# Allegro board FMDEMOD-Long.brd (continued)
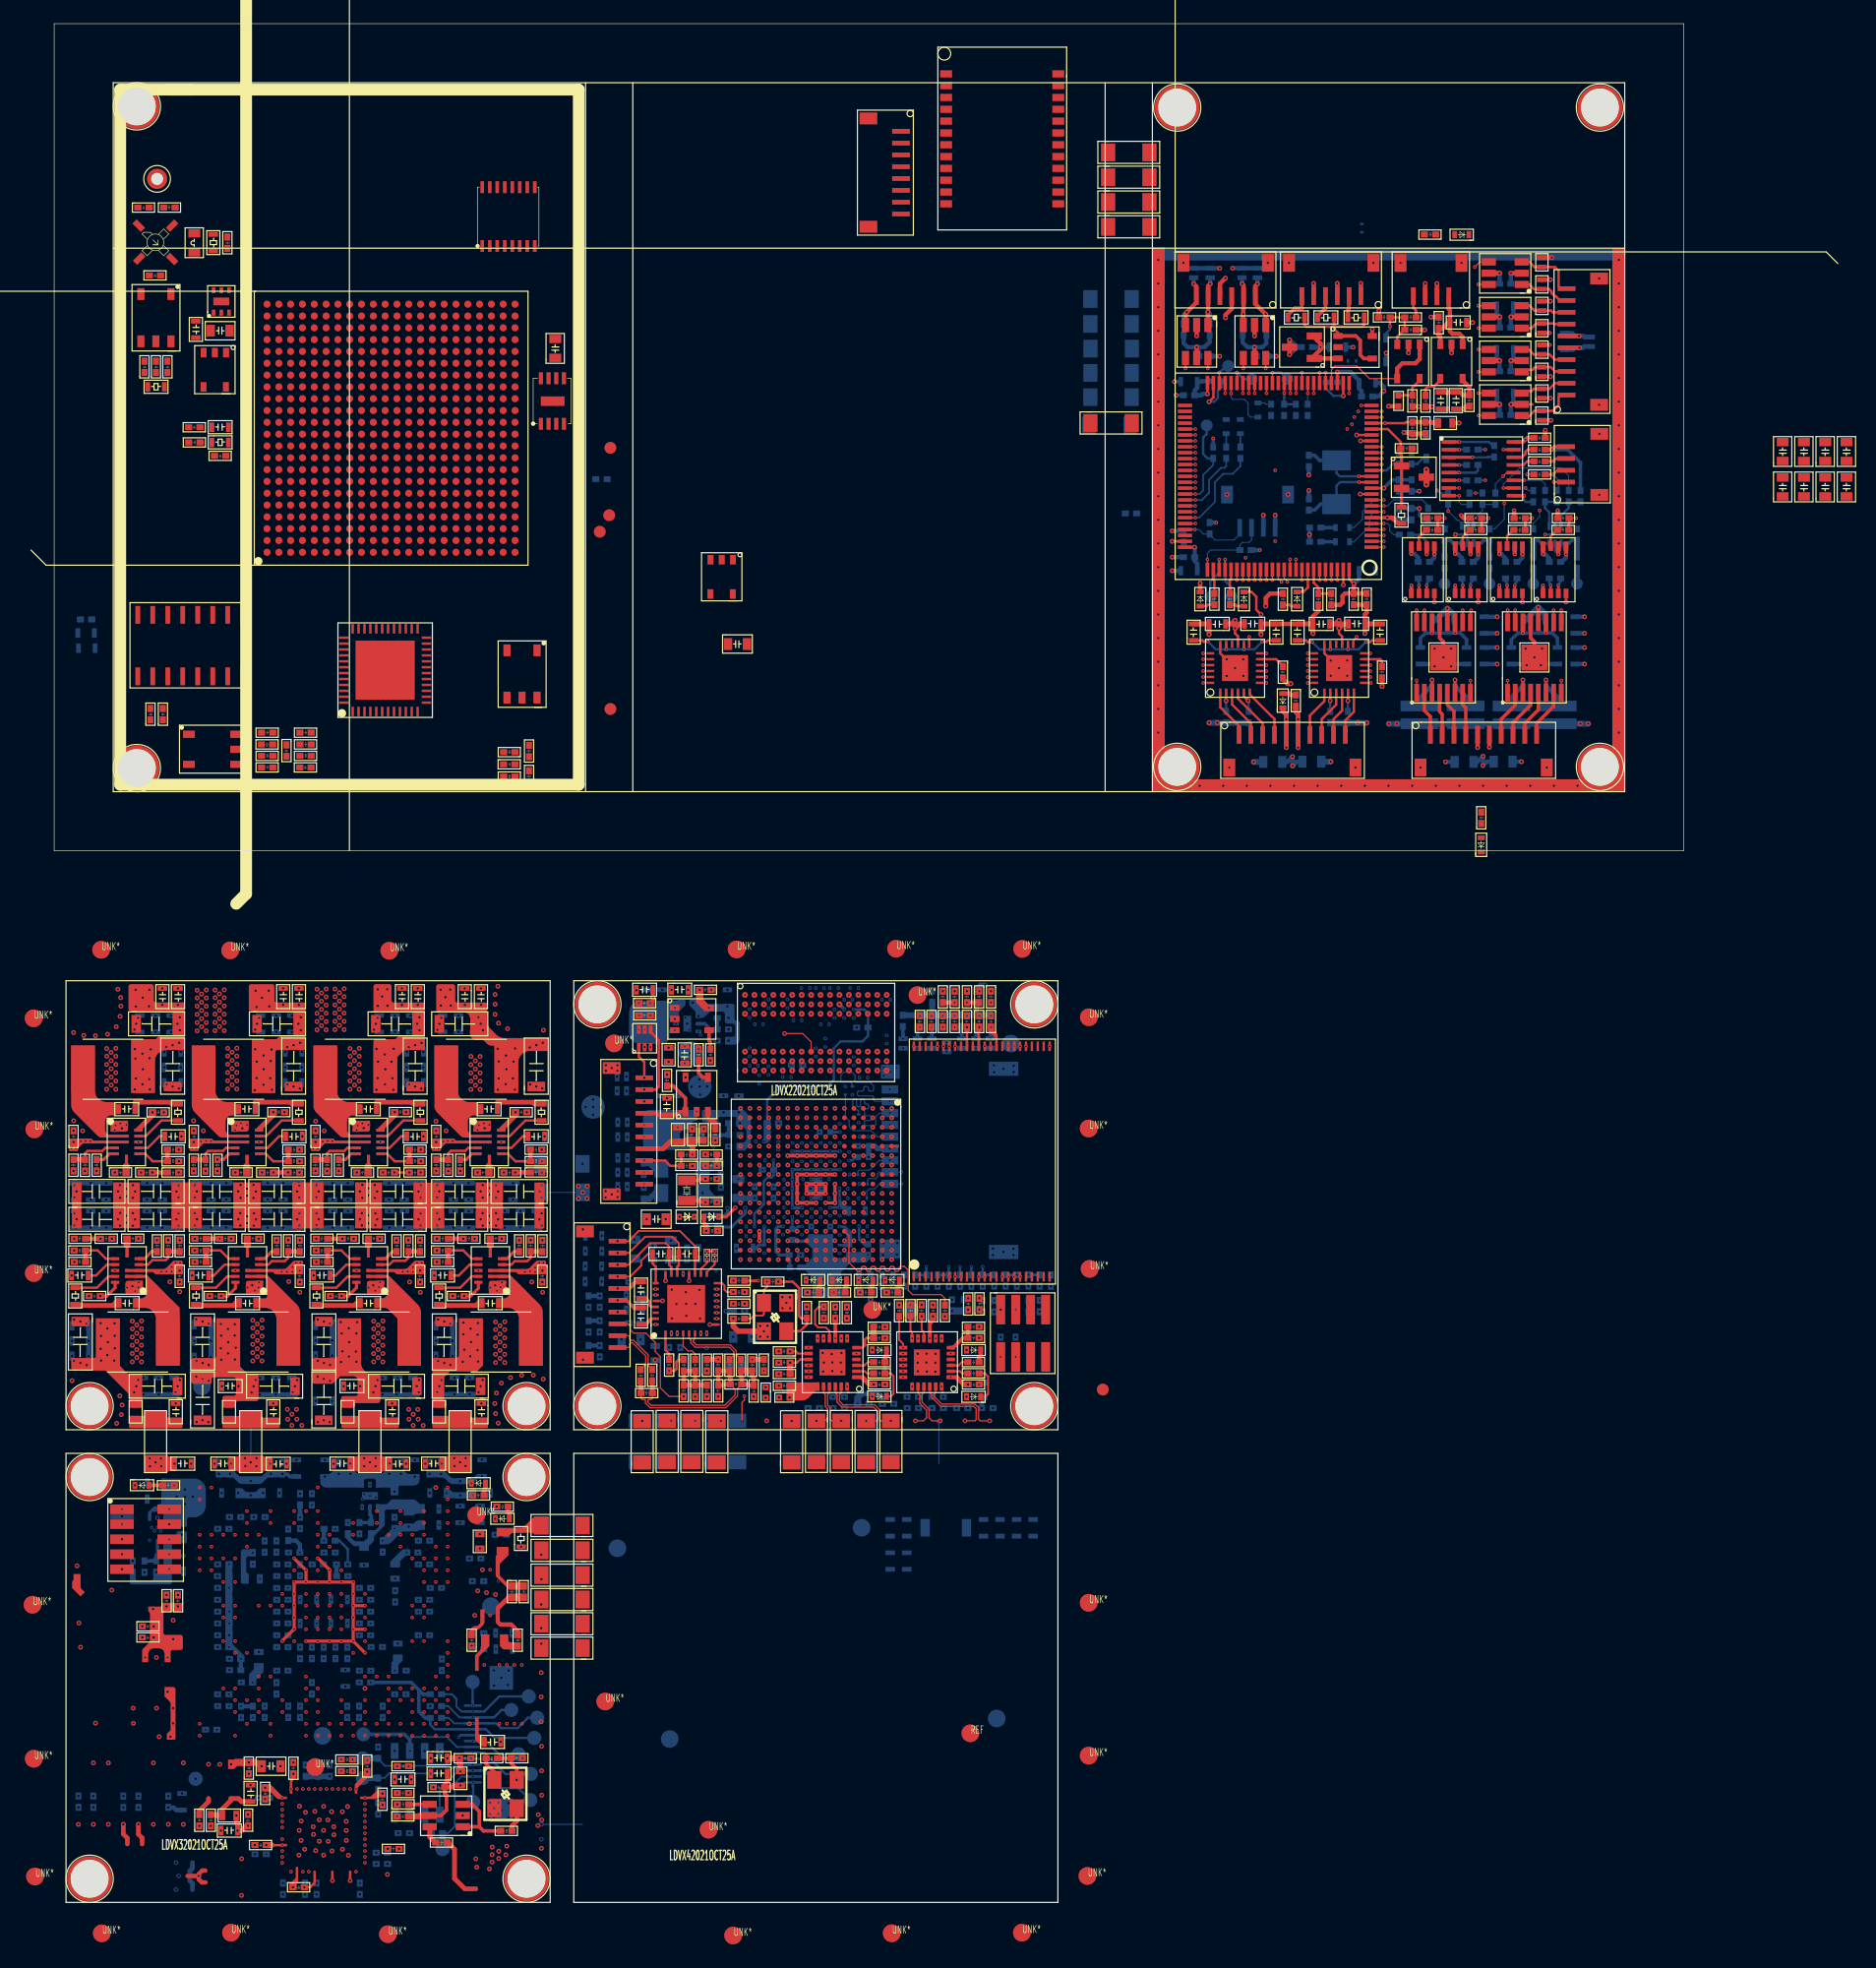
[diagram p0: board, top side]
## Routing (per net, layer and track width the routed paths; a pad name or vN(x,y) marks a point on that pad's centre or on a via; arc(x,y) is an arc through that point) (continued)
  SIGNAL-L4 w0.2: v2(124.34,21.05) 124.34,19.54 123.4,18.6 123.4,15.86 124.38,14.88 v2(124.38,14.46)
  BOTTOM w0.36: v2(124.38,14.46) 124.38,13.98 123.42,13.02 R172.2
N28117: length 11.7
  TOP w0.2: U27.6 v2(126.33,14.46) ; U43.4 v2(128.03,21.05)
  SIGNAL-L4 w0.2: v2(126.33,14.46) 127.2,15.33 127.2,17.5 128.03,18.33 v2(128.03,21.05)
  BOTTOM w0.36: R173.2 127.32,12.98 126.33,13.97 v2(126.33,14.46)
N28299: length 1.3
  TOP w0.2: U43.2 v1(126.73,22.46)
  BOTTOM w0.2: v1(126.73,22.46) 126.73,22.58 126.61,22.7 R358.1
N28303: length 1.3
  TOP w0.2: U43.3 v1(127.38,22.46)
  BOTTOM w0.2: R358.2 127.57,22.77 127.4,22.6 127.4,22.48 v1(127.38,22.46)
N28307: length 1.3
  TOP w0.2: U44.2 v1(123.04,22.46)
  BOTTOM w0.2: v1(123.04,22.46) 123.04,22.66 122.91,22.79 R359.1
N28311: length 1.3
  TOP w0.2: U44.3 v1(123.69,22.46)
  BOTTOM w0.2: R359.2 123.87,22.77 123.69,22.59 v1(123.69,22.46)
N28637: length 1.2
  BOTTOM w0.3: R186.2 D21.2
N28731: length 1.6
  TOP w0.2: U43.7 126.73,26.62 127.26,27.15 R340.1
N28759: length 1.6
  TOP w0.2: R341.1 123.56,27.15 123.04,26.63 U44.7
N30927: length 1.6
  TOP w0.2: U48.2 v2(99.25,12.7)
  BOTTOM w0.2: R370.1 v2(99.25,12.7)
N30933: length 1.8
  TOP w0.2: v2(101.1,12.7) 100.75,13.05 U48.5
  BOTTOM w0.2: R373.1 101.15,12.65 v2(101.1,12.7)
N33222: length 8.5
  TOP w0.2: U48.14 v1(100.75,17.05) ; U48.17 v1(99.25,17.05) ; C594.1 102.78,17.8 102.68,17.7 v1(102.3,17.7) ; v1(97.7,17.7) 97.32,17.7 97.22,17.8 C595.1
  BOTTOM w0.2: v1(102.3,17.7) 101.65,17.05 v1(100.75,17.05) v1(99.25,17.05) 98.35,17.05 v1(97.7,17.7)
N38076: length 2.3
  TOP w0.2: R363.1 104.05,15.64 103.48,16.21 U48.11
N39890: length 1.2
  TOP w0.2: R374.1 104.61,20.81 104.72,20.7 D43.2
N41862: length 8.5
  TOP w0.2: v1(106.53,17.67) 106.15,17.67 106.02,17.8 C185.1 ; C190.1 111.58,17.8 111.46,17.67 v1(111.08,17.67) ; U28.17 v1(108.06,17.04) ; U28.14 v1(109.56,17.05)
  BOTTOM w0.2: v1(111.08,17.67) 110.45,17.05 v1(109.56,17.05) 109.18,17.05 109.18,17.04 v1(108.06,17.04) 107.16,17.04 v1(106.53,17.67)
N42130: length 1.6
  TOP w0.2: U28.2 v2(108.06,12.7)
  BOTTOM w0.2: v2(108.06,12.7) 108.05,12.69 R178.1
N42224: length 1.6
  TOP w0.2: U28.5 v2(109.56,12.7)
  BOTTOM w0.2: v2(109.56,12.7) 109.55,12.69 R184.1
N42300: length 2.1
  TOP w0.2: U28.11 112.29,16.21 112.45,16.05 R176.1
N42416: length 1.1
  BOTTOM w0.1: R183.1 102.62,37.79 102.51,37.9 D19.2
N50111: length 5.7
  TOP w0.2: U22.3 113.74,43.5 114.32,44.08 C154.2 R156.2 R154.1 113.12,45.12 v1(113.12,44.38)
  BOTTOM w0.2: D18.1 112.8,43.8 113.12,44.12 v1(113.12,44.38)
N52095: length 2.9
  TOP w0.2: U22.5 115.63,39.81 115.02,39.2 C163.1 114.35,38.55 114.32,38.52 L20.1
N57048: length 5.8
  TOP w0.36: U40.2 106.71,43.45 107.25,42.91 v1(107.25,42.62) 107.25,42.43 106.71,41.89 106.71,41.66 107.67,41.66 107.67,41.67 U37.3
  BOTTOM w0.36: C472.2 v1(107.25,42.62) R291.2
N57288: length 12.6
  TOP w0.2: R298.1 108.39,44.35 ; 108.39,44.35 106.05,44.35 105.89,44.51 R297.1 ; 108.39,44.35 110.79,44.35 110.95,44.51 R299.1 ; 108.39,44.35 108.39,44.17 108.72,43.84 U37.1
  TOP w0.3: U37.4 110.9,41.66 110.6,41.96 110.6,43.2 110.23,43.57 U37.1
N4007879: length 1.4
  PWR-L6 w0.2: v4(60.93,-29.41) 60.93,-30.21 v3(61.32,-30.6)
N4008796: length 3.2
  PWR-L6 w0.26: v4(60.13,-31.79) v3(60.52,-31.4)
  BOTTOM w0.26: v4(60.13,-31.79) 60.13,-32.2 C399.1 59.68,-33.37 59.4,-33.64 C397.1
N4087915: length 6.2
  TOP w0.3: v22(55.16,-27.77) 54.68,-27.77 54.56,-27.9 Y1.2
  SIGNAL-L7 w0.1: v18(58.92,-29.8) 58.49,-29.37 57.95,-29.37 56.62,-28.04 55.43,-28.04 v22(55.16,-27.77)
N4087935: length 5.3
  TOP w0.3: 53.58,-29.6 54.55,-29.6 54.68,-29.73 v22(55.16,-29.73)
  SIGNAL-L7 w0.1: v18(58.12,-29.8) 57.04,-29.8 56.43,-29.18 55.33,-29.18 55.16,-29.36 v22(55.16,-29.73)
N4129499: length 1.1
  TOP w0.36: D3.2 64.87,-36.81 64.75,-36.92 R82.2
N4198004: length 2.8
  PWR-L6 w0.2: v3(59.72,-30.6) 59.33,-30.21 v6(59.33,-29.39)
  BOTTOM w0.5: C322.2 58.9,-29.39 58.9,-29.39 v6(59.33,-29.39)
N4201231: length 1.3
  SIGNAL-L4 w0.1: v16(53.02,-42.03) 53.02,-41.52 52.77,-41.26 v17(52.77,-40.84)
N4201841: length 1.3
  SIGNAL-L4 w0.1: v16(52.07,-42.03) 52.07,-41.46 52.27,-41.27 v17(52.27,-40.84)
N4206925: length 4.9
  TOP w0.2: v10(59.62,-36.39) 59.29,-36.39 59.29,-36.38 R79.1
  SIGNAL-L3 w0.1: v10(60.52,-33) 60.52,-34.79 59.62,-35.69 v10(59.62,-36.39)
N4209990: length 0.9
  SIGNAL-L3 w0.1: v14(75.29,-46.22) 75.29,-45.84 75.15,-45.7 v10(75.15,-45.34)
N4216158: length 1.1
  TOP w0.36: D8.1 78.46,-42.74 78.33,-42.87 R99.2
N4216162: length 3.1
  TOP w0.16: R108.2 78.82,-44.22 79.09,-44.49 79.09,-45.97 78.85,-46.2 D10.1
N4216453: length 2.7
  TOP w0.3: U17.6 76.13,-42.05 76.95,-41.23 C101.1 C100.1
N4219956: length 3.4
  SIGNAL-L3 w0.2: v10(75.93,-42.55) 75.93,-41.02 75.43,-40.52 v11(75.43,-39.4)
N4226540: length 1.1
  TOP w0.36: R98.2 70.35,-42.87 70.48,-42.74 D7.1
N4226544: length 3
  TOP w0.16: D9.1 70.87,-46.17 71.08,-45.97 71.08,-44.46 70.84,-44.22 R107.2
N4226630: length 3
  TOP w0.2: U16.6 68.46,-42.05 68.66,-41.85 68.66,-41.38 68.8,-41.23 C102.1
  TOP w0.5: C102.1 69.39,-40.81 69.39,-40.8 C99.1
N4226754: length 1
  SIGNAL-L3 w0.1: v14(66.91,-46.22) 67.18,-45.95 67.18,-45.69 67.15,-45.67 v10(67.15,-45.34)
N4226762: length 3.3
  SIGNAL-L3 w0.127: v11(67.12,-39.57) 67.93,-40.38 v10(67.93,-42.55)
N4905822: length 2.2
  TOP w0.22: U21.4 117.37,39.81 116.85,39.29 116.34,39.29 116.13,39.08 C157.2
N4949904: length 1.1
  TOP w0.36: 67.1,-36.33 67.1,-36.81 66.98,-36.92 R83.2
N4950154: length 1.1
  TOP w0.36: R84.2 69.21,-36.92 69.33,-36.81 D5.2
N4950158: length 1.1
  TOP w0.36: R85.2 71.45,-36.92 71.57,-36.81 D6.2
N4962302: length 2
  TOP w0.3: R10.2 54.58,-18.82 54.94,-19.18 U4.4
N4962318: length 1.9
  TOP w0.3: U4.3 55.35,-22.66 55.57,-22.87 55.87,-22.87 55.99,-23 R16.1
N4966591: length 2.1
  TOP w0.36: R106.1 59.67,-43.05 59.66,-43.06 v17(59.11,-43.06)
  SIGNAL-L4 w0.1: v17(59.11,-43.06) 58.62,-43.06 v20(58.16,-43.52)
N4966598: length 2.1
  TOP w0.36: R103.2 55.7,-43.06 55.71,-43.05 v17(56.23,-43.05)
  SIGNAL-L4 w0.1: v20(57.2,-43.52) 56.72,-43.05 v17(56.23,-43.05)
N4966923: length 10.4
  TOP w0.2: v17(52.07,-44.01) 52.55,-44.01 52.69,-43.86 52.69,-43.25 52.89,-43.06 R102.2
  SIGNAL-L4 w0.1: v17(52.07,-44.01) 53.94,-44.01 54.4,-43.54 56.09,-43.54 56.55,-44.01 v17(60.1,-44.01)
N4969505: length 2.4
  SIGNAL-L4 w0.1: v16(49.85,-37.6) 50.62,-37.6 50.62,-37.59 v17(50.95,-37.59)
  BOTTOM w0.36: v16(49.85,-37.6) C411.1
N4971120: length 5.4
  TOP w0.36: C121.1 54.85,-45.23 54.84,-45.24 R112.2 ; R112.2 53.85,-45.24 53.84,-45.23 R111.1 R102.1 C107.1 R112.2
N6357472: length 3.6
  SIGNAL-L4 w0.3: v16(46.19,-39.77) 46.82,-39.14 46.82,-38.38 47.16,-38.04 v12(47.71,-38.04)
  BOTTOM w0.36: R264.1 v16(46.19,-39.77)
N6357497: length 2.7
  SIGNAL-L4 w0.3: v16(46.19,-37.67) 46.83,-37.04 v12(47.71,-37.04)
  BOTTOM w0.36: C410.1 v16(46.19,-37.67)
N7057664: length 0.7
  SIGNAL-L7 w0.1: v19(80.15,-42.12) v18(80.15,-42.83)
N7057668: length 0.7
  SIGNAL-L7 w0.1: v18(81.42,-42.83) 81.42,-42.51 81.41,-42.5 v19(81.41,-42.12)
N7060478: length 4.3
  SIGNAL-L3 w0.1: v11(81.42,-38.83) 81.42,-38.13 80.58,-37.29 v14(80.58,-36.85) v14(82.5,-36.85)
N7060523: length 6.1
  SIGNAL-L3 w0.1: v14(83.45,-39.01) 82.78,-39.68 80.99,-39.68 v11(80.15,-38.83) 80.15,-37.89 79.61,-37.35 v14(79.61,-36.85)
N7084975: length 21.5
  PWR-L6 w0.22: v4(71.75,-28.2) 73.84,-28.2 79.27,-22.77 79.27,-16.87 79.36,-16.78 79.36,-16.32 79.27,-16.23 v6(79.27,-15.9)
  BOTTOM w0.1: 68.82,-29.4 68.82,-28.83 69.04,-28.61 69.48,-28.61 69.89,-28.2 J5.1 v4(71.75,-28.2)
  BOTTOM w0.3: v6(79.27,-15.9) 79.27,-15.53 79.28,-15.51 R205.2
N7085009: length 19.2
  PWR-L6 w0.22: v4(71.75,-27.2) 72.82,-27.2 78.06,-21.96 v6(78.06,-15.9)
  BOTTOM w0.1: v4(71.75,-27.2) J5.2 69.86,-27.2 69.73,-27.33 69.73,-27.57 69.56,-27.75 69,-27.75 68.88,-27.87 R230.2
  BOTTOM w0.3: R206.2 v6(78.06,-15.9)
N7085027: length 17.8
  PWR-L6 w0.22: v4(70.77,-26.2) 71.79,-26.2 76.86,-21.13 v4(76.86,-15.91)
  BOTTOM w0.1: R229.2 68.07,-27.13 68.17,-27.03 69.04,-27.03 69.86,-26.2 v4(70.77,-26.2)
  BOTTOM w0.3: v4(76.86,-15.91) 76.86,-15.53 76.83,-15.5 R207.2
N7085069: length 16.5
  PWR-L6 w0.22: v4(75.58,-17.01) 75.58,-20.53 71.92,-24.2 v4(70.77,-24.2)
  BOTTOM w0.1: R218.2 67.01,-22.54 67.33,-22.86 67.33,-23.35 67.67,-23.69 69.19,-23.69 69.7,-24.2 v4(70.77,-24.2)
N7085119: length 20.1
  PWR-L6 w0.22: v4(70.77,-22.2) 72.33,-22.2 74.33,-20.2 v4(74.33,-15.91)
  BOTTOM w0.1: v4(70.77,-22.2) 69.87,-22.2 69.57,-22.5 69.57,-23.16 69.47,-23.26 68.71,-23.26 68.61,-23.16 68.61,-22.92 68.71,-22.82 69.14,-22.82 69.24,-22.72 69.24,-22.52 69.14,-22.42 68.71,-22.42 68.61,-22.32 68.61,-21.94 68.71,-21.84 68.87,-21.84 68.97,-21.74 68.97,-21.54 68.87,-21.44 68.71,-21.44 68.61,-21.34 68.61,-21.11 68.51,-21.01 68.39,-21.01 68.29,-21.11 68.29,-21.61 68.23,-21.67 68.05,-21.67 67.95,-21.57 67.95,-21.07 67.87,-20.99 67.73,-20.99 67.63,-21.09 67.63,-21.85 67.72,-21.93 68.02,-21.93 68.12,-22.04 68.12,-22.31
  BOTTOM w0.3: R208.2 74.35,-15.51 74.33,-15.53 v4(74.33,-15.91)
N7085137: length 19
  PWR-L6 w0.22: v4(73.11,-15.91) 73.11,-16.07 73.36,-16.32 73.36,-16.78 73.11,-17.03 73.11,-19.47 71.39,-21.2 v4(70.77,-21.2)
  BOTTOM w0.1: v4(70.77,-21.2) 69.52,-21.2 69.38,-21.07 69.38,-20.84 69.28,-20.74 68.11,-20.74 68.01,-20.64 68.01,-20.44 68.11,-20.34 68.46,-20.34 68.56,-20.24 68.56,-20.05 68.66,-19.95 68.86,-19.95 68.96,-20.05 68.96,-20.24 69.06,-20.34 69.28,-20.34 69.38,-20.24 69.38,-19.89 69.09,-19.6 67.93,-19.6 67.83,-19.5 67.83,-19.02 67.52,-18.72 66.9,-18.72 66.62,-19 66.62,-19.49 66.72,-19.59 67.43,-19.59 67.6,-19.75 R217.2
  BOTTOM w0.3: R209.2 73.11,-15.53 73.11,-15.53 v4(73.11,-15.91)
N7099288: length 4.3
  TOP w0.2: U3.1 49.51,-17.42 49.97,-17.89 v11(49.97,-19.22)
  SIGNAL-L3 w0.3: v11(49.97,-19.22) 48.95,-19.22 48.84,-19.11 v14(48.47,-19.11)
N7119824: length 4
  TOP w0.26: U47.1 v1(118.98,34.6)
  BOTTOM w0.2: C596.1 121.81,34.29 121.5,34.6 v1(118.98,34.6)
N7119928: length 1.5
  TOP w0.26: U47.4 v1(118.98,32.65)
  BOTTOM w0.2: C601.1 v1(118.98,32.65)
N7119940: length 1.5
  TOP w0.26: U47.2 v1(118.98,33.95)
  BOTTOM w0.2: C607.1 v1(118.98,33.95)
N7119964: length 3.9
  TOP w0.26: U47.3 v1(120.1,33.3)
  BOTTOM w0.2: C596.2 121.47,33.33 121.44,33.3 v1(120.1,33.3)
N7119992: length 1.5
  TOP w0.2: U47.6 v1(118.98,31.35)
  BOTTOM w0.2: C611.1 v1(118.98,31.35)
N7120000: length 3
  TOP w0.26: U47.5 v1(118.98,32)
  BOTTOM w0.2: v1(118.98,32) 120.4,32 120.57,32.17 C601.2
N7120004: length 2.9
  BOTTOM w0.3: U41.3 125.96,26 125.68,26.28 R324.2
  BOTTOM w0.5: R322.2 R324.2
N7120715: length 1.3
  BOTTOM w0.5: TP53.1 R322.1
N7120840: length 1.3
  BOTTOM w0.36: TP54.1 R329.1
N7121019: length 1.3
  BOTTOM w0.36: TP51.1 R336.1
N7121024: length 1.3
  BOTTOM w0.5: TP52.1 R330.1
N7132397: length 2.1
  TOP w0.2: R371.1 124.78,33.95 124.6,33.77 124.6,33.59 124.31,33.3 U47.14
N7132401: length 8
  TOP w0.1: U47.7 v1(118.98,30.7) ; R368.1 v1(124.73,31.85)
  SIGNAL-L4 w0.1: v1(118.98,30.7) 119.3,30.7 120.89,32.28 124.3,32.28 v1(124.73,31.85)
N7132405: length 1.8
  TOP w0.2: U47.13 124.43,32.65 124.73,32.95 R372.1
N7132409: length 2.4
  TOP w0.1: U47.8 v1(118.98,30.05)
  BOTTOM w0.1: v1(118.98,30.05) 118.98,29.5 119.17,29.31 R369.1
N7132815: length 3.2
  BOTTOM w0.1: U42.3 120.2,28.04 120.95,28.79 R350.2 R349.2
N7132819: length 10.5
  SIGNAL-L3 w0.1: v1(118.05,28.74) 120.34,28.74 121.7,30.1 123.4,30.1 124,30.7 v1(124.6,30.7)
  BOTTOM w0.1: R334.2 124.82,30.48 v1(124.6,30.7) ; U42.1 119.2,27.71 118.92,27.99 118.81,27.99 v1(118.05,28.74) R335.2
N7301618: length 2.9
  BOTTOM w0.3: R331.2 121.07,26.28 120.82,26.03 U42.4
  BOTTOM w0.36: R329.2 R331.2
N7301681: length 2.9
  BOTTOM w0.3: U41.1 128.24,26 128.52,26.28 R332.2
  BOTTOM w0.5: R330.2 R332.2
N7301693: length 3
  BOTTOM w0.3: R338.2 118.23,26.28 118.48,26.03 U42.6
  BOTTOM w0.36: R336.2 R338.2
N7303091: length 3.5
  TOP w0.2: U47.11 v1(124.48,31.35)
  BOTTOM w0.1: v1(124.48,31.35) 125.95,31.35 126.25,31.05 R346.1 126.25,30.29
N7303129: length 9
  TOP w0.2: v1(122.72,30.7) U47.10
  BOTTOM w0.1: 128.25,30.29 R347.1 128.25,31.75 127.6,32.4 124.1,32.4 122.72,31.03 v1(122.72,30.7)
N7303150: length 2.7
  TOP w0.1: U47.12 123,32 v1(122.7,31.7)
  BOTTOM w0.1: v1(122.7,31.7) 122.05,31.05 R349.1
N7303177: length 2.1
  TOP w0.26: U47.9 v1(124.48,30.05)
  BOTTOM w0.2: v1(124.48,30.05) 124.48,29.67 124.63,29.52 R334.1
N7304159: length 3.2
  BOTTOM w0.2: U41.4 126.6,28.65 126.25,29 R346.2 R345.2
N7304177: length 3.3
  BOTTOM w0.2: R348.2 R347.2 128.25,29 127.6,28.35 U41.6
N7454523: length 2.8
  SIGNAL-L4 w0.1: v12(30.01,-79.73) 30.01,-80.83 30.76,-81.58 v16(31.38,-81.58)
N7455499: length 1.1
  TOP w0.38: D11.2 36.53,-54 36.41,-54.12 R136.2
N7455557: length 1.1
  TOP w0.38: 38.55,-56.53 38.55,-56.05 38.43,-55.93 R137.2
N7467286: length 1.7
  SIGNAL-L3 w0.2: v10(16.32,-71.89) 16.05,-72.15 16.05,-72.17 v7(15.82,-72.4)
  BOTTOM w0.36: C589.2 v7(15.82,-72.4)
N7498655: length 1.7
  TOP w0.4: 13.07,-80.21 13.07,-80.47 12.29,-81.24 C211.2
N7538451: length 0.7
  SIGNAL-L3 w0.2: v7(21.82,-54.4) 22.32,-53.91 v10(22.32,-53.89)
N7580344: length 1.4
  SIGNAL-L3 w0.36: v11(2.05,-82.4) 2.05,-81.34 2.06,-81.33 v14(2.06,-80.96)
N7580738: length 1.4
  SIGNAL-L3 w0.36: v14(3.31,-80.96) 3.31,-81.33 3.32,-81.34 v11(3.32,-82.4)
N7580852: length 2.7
  SIGNAL-L3 w0.36: v11(9.67,-82.4) 9.67,-81.34 9.66,-81.34 v14(9.66,-80.97)
  BOTTOM w0.36: v14(9.66,-80.97) 10.1,-80.97 10.32,-81.19 R364.1
N7581076: length 3.2
  TOP w0.38: v11(7.13,-82.4) 7.13,-83.23 7.45,-83.55 7.45,-84.06
  SIGNAL-L3 w0.36: v14(7.13,-80.97) 7.13,-81.34 7.13,-81.35 v11(7.13,-82.4)
N7581083: length 3.2
  TOP w0.38: v11(5.86,-82.4) 5.86,-83.22 6.2,-83.56 6.2,-84.06
  SIGNAL-L3 w0.36: v14(5.86,-80.97) 5.86,-81.34 5.86,-81.34 v11(5.86,-82.4)
N7586253: length 2.1
  TOP w0.3: Y4.1 37.27,-77.97 36.58,-77.28 R166.1
N7586496: length 2.1
  TOP w0.38: 39.17,-81.03 39.17,-82.12 38.77,-82.52 R185.2
N7586806: length 6.3
  TOP w0.3: U32.1 36,-82.6 ; 36,-82.6 36,-81.3 35.4,-80.7 U32.3 ; 36,-82.6 36.35,-82.95 R185.1
N7587007: length 1.8
  TOP w0.3: U32.4 30.5,-80.7 R177.1
N7587454: length 1.6
  TOP w0.4: R188.1 32.26,-83.93 31.8,-83.46 U32.6
N7587591: length 5.5
  TOP w0.4: 35.7,-87.85 34.77,-87.85 33.9,-86.98 33.9,-84.51 33.32,-83.93 R188.2
N7735309: length 1.9
  TOP w0.1: U19.48 v1(98.67,40.47)
  BOTTOM w0.2: TP4.1 99.23,41.03 v1(98.67,40.47)
N7869909: length 8
  TOP w0.2: U3.4 50.51,-15.33 51.2,-16.03 51.2,-19.96 50.95,-20.22 v11(49.97,-20.22)
  SIGNAL-L3 w0.3: v11(49.97,-20.22) 48.95,-20.22 48.84,-20.32 v14(48.47,-20.32)
N7921484: length 1.2
  TOP w0.3: D12.2 R133.2
N7936310: length 1.1
  BOTTOM w0.15: D15.2 R144.2
N7936621: length 1.1
  BOTTOM w0.15: D14.2 R140.2
N7936920: length 1.2
  TOP w0.2: R150.2 97.7,20.82 97.58,20.7 D17.2
N7937230: length 1.2
  TOP w0.2: D16.2 100.15,20.7 100.03,20.82 R145.2
N8000304: length 2.4
  TOP w0.1: U19.45 v1(100.17,40.47)
  BOTTOM w0.2: v1(100.17,40.47) 100.71,39.93 TP2.1
N8000357: length 2.4
  TOP w0.1: U19.39 v1(103.17,40.47)
  BOTTOM w0.2: TP1.1 103.88,40.47 v1(103.17,40.47)
N8015227: length 1.7
  BOTTOM w0.5: R227.1 50.89,-26.91 50.41,-26.43 R228.1
N8015335: length 1.7
  BOTTOM w0.5: R234.1 50.42,-29.46 50.91,-28.97 R233.1
N8184194: length 4.2
  TOP w0.2: U5.4 4.34,-25.15 4.08,-25.41 2.82,-25.41 2.61,-25.62 R28.2
  TOP w0.36: R27.1 2.12,-26.14 2.13,-26.15 R28.2
N8184251: length 5.3
  TOP w0.36: v11(8.31,-27.22) R41.1
  SIGNAL-L3 w0.2: v10(7.13,-24.65) 8.09,-24.65 8.78,-25.34 8.78,-26.33 8.31,-26.8 v11(8.31,-27.22)
N8184327: length 9
  SIGNAL-L4 w0.2: v12(8.33,-22.14) 8.33,-25.93 7.54,-26.72 4.5,-26.72 4.12,-27.1 v12(3.6,-27.1)
N8184405: length 1.7
  TOP w0.25: U5.5 4.67,-25.65 4.18,-26.14 R29.1
N8185005: length 3.9
  TOP w0.2: U5.10 7.76,-24.15 9.08,-22.83 10.49,-22.83
N8185163: length 2.7
  TOP w0.2: C38.2 8.91,-24.17 7.93,-25.15 U5.8
N8185326: length 3.7
  TOP w0.2: U5.7 7.71,-25.65 8.34,-26.28 R23.2
  TOP w0.36: R23.2 9.6,-25.8 9.59,-25.79 R17.1
N8189530: length 3.9
  TOP w0.2: 20.73,-22.83 19.26,-22.83 17.95,-24.15 U6.10
N8189912: length 4.2
  TOP w0.2: R31.2 12.82,-25.62 13.04,-25.4 14.29,-25.4 14.55,-25.15 U6.4
  TOP w0.36: R30.1 12.33,-26.14 12.34,-26.15 R31.2
N8189916: length 27.1
  TOP w0.36: v11(18.56,-27.22) v13(19.82,-27.22)
  SIGNAL-L3 w0.2: v11(18.56,-27.22) 18.56,-26.8 18.99,-26.36 18.99,-25.1 18.54,-24.65 v10(17.34,-24.65)
  SIGNAL-L8 w0.2: v8(41.25,-26.5) 20.54,-26.5 v13(19.82,-27.22)
N8189928: length 2.7
  TOP w0.2: C39.2 19.05,-24.17 18.07,-25.15 U6.8
N8189952: length 3.7
  TOP w0.2: R24.2 18.55,-26.28 17.92,-25.65 U6.7
  TOP w0.36: R24.2 19.83,-25.8 19.82,-25.79 R18.1
N8190068: length 9.1
  SIGNAL-L4 w0.2: v12(13.83,-27.1) 14.37,-27.1 14.74,-26.73 17.89,-26.73 18.55,-26.07 v12(18.55,-22.12)
N8193321: length 3.9
  TOP w0.2: 31.02,-22.83 29.57,-22.83 28.25,-24.15 U7.10
N8193703: length 4.2
  TOP w0.2: R34.2 23.11,-25.62 23.32,-25.41 24.57,-25.41 24.83,-25.15 U7.4
  TOP w0.36: R33.1 22.62,-26.14 22.63,-26.15 R34.2
N8193719: length 2.6
  TOP w0.2: U7.8 28.41,-25.15 29.39,-24.17 C40.2
N8193743: length 3.7
  TOP w0.2: R25.2 28.83,-26.28 28.2,-25.65 U7.7
  TOP w0.36: R25.2 30.09,-25.78 30.08,-25.77 R19.1
N8193859: length 9.1
  SIGNAL-L4 w0.2: v12(24.11,-27.1) 24.63,-27.1 25.03,-26.69 28.16,-26.69 28.84,-26.01 v12(28.84,-22.12)
N8193943: length 1.7
  TOP w0.25: R35.1 24.66,-26.14 25.15,-25.65 U7.5
N8195603: length 4
  TOP w0.2: 41.28,-22.83 39.9,-22.83 38.58,-24.15 U8.10
N8195985: length 4.2
  TOP w0.2: R37.2 33.37,-25.62 33.59,-25.4 34.81,-25.4 35.06,-25.15 U8.4
  TOP w0.36: R36.1 32.88,-26.14 32.89,-26.15 R37.2
N8196001: length 2.7
  TOP w0.2: C41.2 39.7,-24.17 38.72,-25.15 U8.8
N8196025: length 3.7
  TOP w0.2: U8.7 38.44,-25.65 39.07,-26.28 R26.2
  TOP w0.36: R20.1 40.33,-25.79 40.34,-25.8 R26.2
N8196141: length 9
  SIGNAL-L4 w0.2: v12(34.38,-27.1) 35,-27.1 35.37,-26.72 38.3,-26.72 39.06,-25.95 v12(39.06,-22.13)
N8196225: length 1.7
  TOP w0.25: R38.1 34.89,-26.14 35.38,-25.65 U8.5
N8196940: length 4.2
  TOP w0.2: 9.65,-33.92 9.65,-34.44 9.45,-34.65 8.32,-34.65 7.95,-35.02 U11.4
  TOP w0.36: R59.1 10.14,-33.92 10.13,-33.92 9.65,-33.92
N8196944: length 5.6
  TOP w0.36: R49.1 v11(3.93,-32.83)
  SIGNAL-L3 w0.2: v11(3.93,-32.83) 3.93,-33.26 3.46,-33.72 3.46,-35.08 3.9,-35.52 v10(5.16,-35.52)
N8196950: length 11
  TOP w0.25: U11.11 5.16,-36.98 4.46,-37.68 v12(3.91,-37.68)
  SIGNAL-L4 w0.2: v12(3.91,-37.68) 3.91,-33.91 4.45,-33.37 7.8,-33.37 8.21,-32.97 v12(8.7,-32.97)
N8196956: length 1.8
  TOP w0.25: R57.1 8.25,-33.92 7.66,-34.52 U11.5
N8197004: length 3.8
  TOP w0.2: R86.1 3.62,-36.98 4.58,-36.02 U11.10
N8197022: length 2.7
  TOP w0.2: C75.2 3.54,-35.94 4.47,-35.02 U11.8
N8197032: length 3.8
  TOP w0.2: R69.2 3.68,-33.83 4.38,-34.52 U11.7
  TOP w0.36: R69.2 2.65,-34.3 2.66,-34.31 R75.1
N8197074: length 3.7
  TOP w0.2: R87.1 13.7,-36.98 14.65,-36.02 U12.10
N8197146: length 4.2
  TOP w0.2: U12.4 18.14,-35.02 18.44,-34.72 19.54,-34.72 19.82,-34.44 19.82,-33.92
  TOP w0.36: 19.82,-33.92 20.29,-33.92 20.3,-33.92 R62.1
N8197148: length 5.3
  TOP w0.36: R51.1 v10(14.02,-32.83)
  SIGNAL-L3 w0.2: v10(14.02,-32.83) 14.02,-33.43 13.7,-33.75 13.7,-35.02 14.2,-35.52 v10(15.35,-35.52)
N8197154: length 2.6
  TOP w0.2: U12.8 14.43,-35.02 13.51,-35.94 C76.2
N8197166: length 3.8
  TOP w0.2: U12.7 14.77,-34.52 14.08,-33.83 R70.2
  TOP w0.36: R76.1 12.87,-34.32 12.86,-34.31 R70.2
N8197176: length 10.9
  TOP w0.25: v12(14.13,-37.68) 14.68,-37.68 15.35,-37.02 U12.11
  SIGNAL-L4 w0.2: v12(18.84,-32.97) 18.32,-32.97 17.91,-33.37 14.68,-33.37 14.13,-33.92 v12(14.13,-37.68)
N8197194: length 1.7
  TOP w0.25: U12.5 17.82,-34.52 18.42,-33.92 R60.1
N8197218: length 3.8
  TOP w0.2: U13.10 25.02,-36.02 25.02,-36.02 24.86,-36.02 23.9,-36.98 R88.1
N8197290: length 4.2
  TOP w0.2: 29.99,-33.92 29.99,-34.44 29.74,-34.69 28.72,-34.69 28.39,-35.02 U13.4
  TOP w0.36: 29.99,-33.92 30.47,-33.92 30.48,-33.92 R65.1
N8197292: length 5.4
  TOP w0.36: R53.1 v11(24.4,-32.83)
  SIGNAL-L3 w0.2: v11(24.4,-32.83) 24.4,-33.26 23.94,-33.72 23.94,-34.91 24.55,-35.52 v10(25.59,-35.52)
N8197298: length 2.6
  TOP w0.2: C77.2 23.82,-35.94 24.75,-35.02 25.01,-35.02 U13.8
N8197310: length 3.7
  TOP w0.2: R71.2 24.32,-33.83 25.02,-34.52 U13.7
  TOP w0.36: R77.1 23.16,-34.31 23.15,-34.3 R71.2
N8197320: length 10.8
  TOP w0.25: v12(24.34,-37.68) 24.89,-37.68 25.59,-36.98 U13.11
  SIGNAL-L4 w0.2: v12(29,-32.97) 28.49,-32.97 28.09,-33.37 24.93,-33.37 24.34,-33.96 v12(24.34,-37.68)
N8197338: length 1.6
  TOP w0.25: R63.1 28.65,-33.92 28.05,-34.52 U13.5
N8197362: length 3.7
  TOP w0.2: U14.10 35.34,-36.02 34.38,-36.98 32.59,-36.98
N8197434: length 4.2
  TOP w0.2: U14.4 38.71,-35.02 39,-34.73 40.06,-34.73 40.35,-34.44 40.35,-33.92
  TOP w0.36: R68.1 40.84,-33.92 40.83,-33.92 40.35,-33.92
N8197436: length 5.5
  TOP w0.36: R55.1 v11(34.64,-32.83)
  SIGNAL-L3 w0.2: v10(35.92,-35.52) 34.65,-35.52 34.32,-35.19 34.32,-33.58 34.64,-33.26 v11(34.64,-32.83)
N8197442: length 2.7
  TOP w0.2: C78.2 34.26,-35.94 35.19,-35.02 U14.8
N8197454: length 3.8
  TOP w0.2: R72.2 34.65,-33.83 35.34,-34.52 U14.7
  TOP w0.36: R78.1 33.38,-34.32 33.37,-34.31 R72.2
N8197464: length 10.8
  TOP w0.25: v12(34.71,-37.68) 35.27,-37.68 35.92,-37.03 U14.11
  SIGNAL-L4 w0.2: v12(34.71,-37.68) 34.71,-33.92 35.28,-33.36 38.43,-33.36 38.83,-32.97 v12(39.37,-32.97)
N8197482: length 1.7
  TOP w0.25: U14.5 38.35,-34.52 38.95,-33.92 R66.1
N8206279: length 1.6
  TOP w0.3: C22.2 55.57,-16.19 55.45,-16.08 U1.4
N8420934: length 2.7
  BOTTOM w0.3: U34.2 55.09,-14.64 55.57,-15.11 R212.2 56.15,-14.6 56.14,-14.59 R204.1
N8425431: length 4.1
  SIGNAL-L8 w0.16: v8(56.15,-16.08) 54.78,-16.08 53.35,-14.64 v9(52.66,-14.64)
N8429190: length 4
  SIGNAL-L8 w0.16: v8(57.12,-25.03) 54.3,-25.03 53.72,-24.45 v9(53.72,-24.1)
N8429316: length 2.5
  BOTTOM w0.3: R221.1 57.11,-23.62 57.12,-23.63 57.12,-24.05 56.54,-24.05 56.5,-24.1 U35.2
N8449814: length 5
  SIGNAL-L8 w0.2: v8(6.65,-60.1) 6.65,-57.71 7.89,-56.46 v8(8.74,-56.46)
N8449940: length 2.8
  BOTTOM w0.28: 8.74,-58.36 8.74,-59.52 8.64,-59.62 R315.1
  BOTTOM w0.3: R316.2 8.2,-60.1 8.21,-60.09 R315.1
N8561901: length 4.6
  SIGNAL-L3 w0.26: v7(26.74,-53.64) 25.59,-53.64 24.88,-54.36 v7(24.88,-56.85)
N8561999: length 2.3
  BOTTOM w0.3: U36.2 26.74,-56.17 26.83,-56.27 R304.1 26.82,-56.85 R305.2
N8934237: length 1.1
  TOP w0.36: R379.1 104.71,13.19 104.6,13.3 D56.2

## Copper pours and planes (outline as drawn; the poured copper is in the pictures)
1V2_FPGA on BOTTOM (solid shape): 33.51,-52.95 33.68,-53.06 33.87,-53.1 35.28,-53.1 35.47,-53.06 35.63,-52.95 35.83,-52.75 36.63,-52.75 36.63,-53.15 35.83,-53.15 35.53,-53.45 35.37,-53.56 35.18,-53.6 33.77,-53.6 33.58,-53.56 33.41,-53.45 33.14,-53.18 32.98,-53.07 32.79,-53.03 31.53,-53.03 31.53,-52.43 33,-52.43
1V2_FPGA on PWR-L6: 31.37,-51.14 31.37,-53.18 31.52,-53.33 32.97,-53.33 33.04,-53.25 33.36,-53.25 33.74,-53.63 35.13,-53.63 35.47,-53.29 36.73,-53.29 36.9,-53.13 36.9,-51.16 36.85,-51.11 31.39,-51.11
1V2_FPGA_PWR on TOP (solid shape): 36.29,-43.58 35.86,-44.01 35.8,-44.05 35.72,-44.07 33.59,-44.07 33.51,-44.09 33.45,-44.13 33.07,-44.51 33.03,-44.57 33.01,-44.65 33.01,-46.47 33.02,-46.48 33.09,-46.48 33.16,-46.51 33.19,-46.58 33.19,-47.03 33.16,-47.1 33.09,-47.13 32.12,-47.13 32.05,-47.1 32.02,-47.03 32.02,-43.05 32.05,-42.97 32.12,-42.94 33.99,-42.94 34.21,-42.86 34.29,-42.64 34.29,-39.58 36.29,-39.58
2V5_FPGA on BOTTOM (solid shape): 30.37,-54.9 30.56,-54.94 30.73,-55.04 30.98,-55.3 31.38,-55.3 31.38,-56.1 30.78,-56.1 30.59,-56.13 30.43,-56.24 30.42,-56.25 29.62,-56.25 29.62,-55.95 29.56,-55.81 29.42,-55.75 28.19,-55.75 28.05,-55.81 27.99,-55.95 27.99,-57.02 27.97,-57.1 27.93,-57.16 27.08,-58.01 27.08,-58.33 27.07,-58.4 27.03,-58.47 26.64,-58.85 26.64,-59.25 25.84,-59.25 25.84,-58.85 25.44,-58.85 25.37,-58.83 25.3,-58.79 24.63,-58.11 24.63,-57.51 25.13,-57.51 25.13,-58.11 25.38,-58.37 25.45,-58.41 25.52,-58.43 26.18,-58.43 26.25,-58.41 26.32,-58.37 26.58,-58.1 26.58,-57.5 27.1,-57.5 27.18,-57.49 27.24,-57.44 27.43,-57.26 27.47,-57.19 27.49,-57.12 27.49,-56.13 27.47,-56.05 27.43,-55.99 27.24,-55.79 27.24,-55.29 28.09,-55.29 28.17,-55.28 28.23,-55.24 28.57,-54.9
2V5_FPGA_IN on BOTTOM (solid shape): 25.53,-52.47 25.58,-52.62 25.73,-52.67 27.74,-52.67 27.88,-52.62 27.94,-52.47 27.94,-52.43 29.61,-52.43 29.78,-52.61 29.94,-52.71 30.13,-52.75 30.93,-52.75 30.93,-53.23 30.79,-53.58 30.43,-53.73 29.26,-53.73 29.19,-53.76 29.16,-53.83 29.16,-54.44 29.13,-54.51 29.06,-54.54 28.58,-54.54 28.51,-54.51 28.48,-54.44 28.48,-53.99 28.45,-53.92 28.38,-53.89 27.24,-53.89 27.24,-53.35 27.18,-53.21 27.04,-53.15 26.44,-53.15 26.29,-53.21 26.24,-53.35 26.24,-53.89 23.03,-53.89 22.68,-53.75 22.53,-53.39 22.53,-52.75 23.13,-52.75 23.32,-52.71 23.48,-52.61 23.51,-52.58 23.67,-52.47 23.86,-52.43 25.53,-52.43
2V5_FPGA_IN on PWR-L6: 22.91,-54.13 28.01,-54.13 28.41,-54.52 30.09,-54.52 31.16,-53.45 31.16,-51.18 31.11,-51.14 21.85,-51.14 21.48,-51.51 21.48,-52.69
